# Altium PCB MiniSystem-Pcb-All.PcbDoc (part 3 of 8)
Units mil, origin at the board's own origin, x right, y up, seen from the top; angles counter-clockwise.
Board outline 1732.28 x 669.29 mil, 2 copper layers (Top Layer, Bottom Layer); 690 components, 49 nets, 1630 pads, 330 vias.
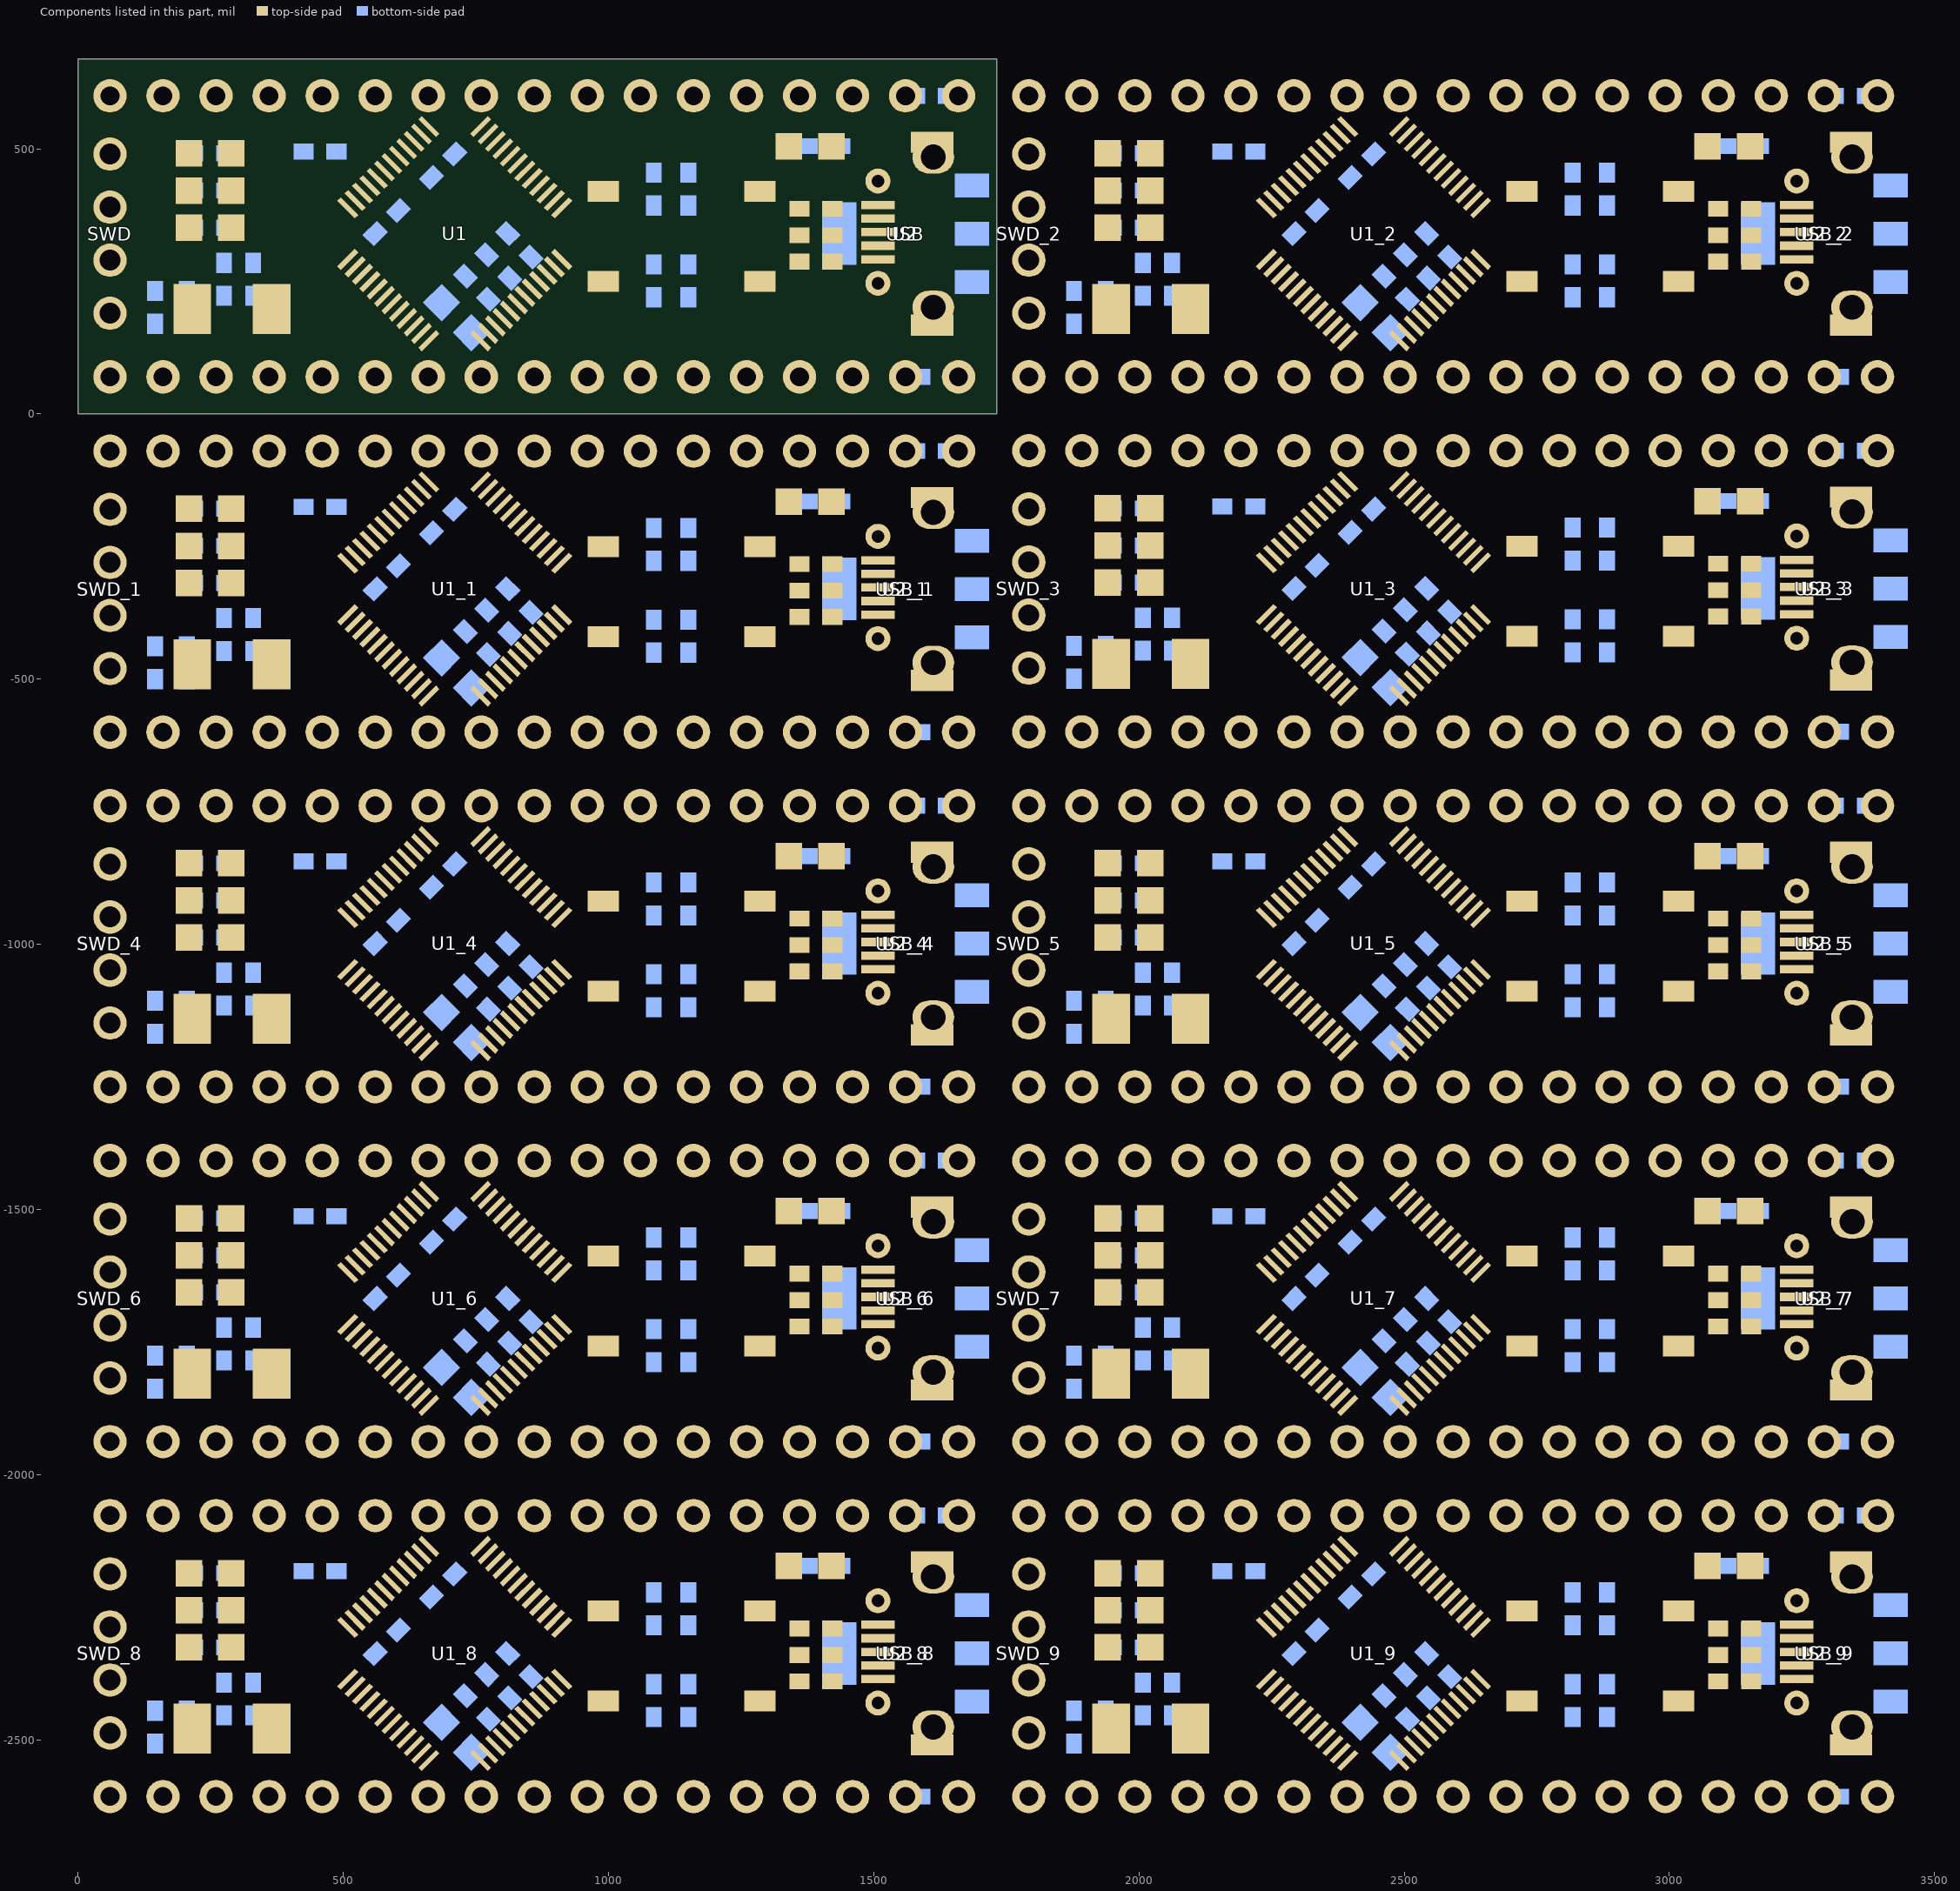
[diagram p3: the components of this part, seen from the top]

## Via types
v1: diameter 24, hole 12, Top Layer to Bottom Layer, 320 vias
v2: diameter 50, hole 30, Top Layer to Bottom Layer, 10 vias

## Nets (pads, with @x,y where several pads share a name; then routed paths per layer and width w, separated by ;. In a path a pad name is that pad's centre, name@x,y a point inside that pad or via, vN(x,y) a via of type N, cw(c..) or ccw(c..) an arc to the next point about the centre after c; other vN are vias at no path point) (continued)
copper on no net: | length 314330
  Top Layer w8: v1(360,-2477.17) 415.83,-2477.17 437.82,-2499.15 534.09,-2499.15 577.77,-2455.48 ; v1(360,-1807.87) 415.83,-1807.87 437.82,-1829.86 534.09,-1829.86 577.77,-1786.19 ; v1(360,-1138.58) 415.83,-1138.58 437.82,-1160.57 534.09,-1160.57 577.77,-1116.9 ; v1(360,-470) 415.83,-470 437.82,-491.99 534.09,-491.99 577.77,-448.31 ; v1@365.66,-2482.82 cw(c379.31,-2496.48) 379.31,-2477.17 cw(c379.31,-2457.85) v1@365.66,-2471.51 ; v1@365.66,-1813.53 cw(c379.31,-1827.19) 379.31,-1807.87 cw(c379.31,-1788.56) v1@365.66,-1802.22 ; v1@365.66,-1144.24 cw(c379.31,-1157.9) 379.31,-1138.58 cw(c379.31,-1119.27) v1@365.66,-1132.93 ; v1@365.66,-475.66 cw(c379.31,-489.31) 379.31,-470 cw(c379.31,-450.69) v1@365.66,-464.34 ; 385.09,-2467.43 ccw(c401.96,-2457.68) 401.96,-2477.17 ; 385.09,-1798.14 ccw(c401.96,-1788.39) 401.96,-1807.87 ; 385.09,-1128.85 ccw(c401.96,-1119.1) 401.96,-1138.58 ; 385.09,-460.27 ccw(c401.96,-450.51) 401.96,-470 ; 386.29,-2488.52 cw(c403.62,-2496.07) 403.62,-2477.17 ; 386.29,-1819.23 cw(c403.62,-1826.77) 403.62,-1807.87 ; 386.29,-1149.94 cw(c403.62,-1157.48) 403.62,-1138.58 ; 386.29,-481.35 cw(c403.62,-488.9) 403.62,-470 ; 392.01,-2463.43 ccw(c415.82,-2449.66) 415.82,-2477.17 ccw(c415.82,-2501.38) 393.62,-2491.71 ; 392.01,-1794.14 ccw(c415.82,-1780.37) 415.82,-1807.87 ccw(c415.82,-1832.09) 393.62,-1822.42 ; 392.01,-1124.85 ccw(c415.82,-1111.08) 415.82,-1138.58 ccw(c415.82,-1162.8) 393.62,-1153.13 ; 392.01,-456.26 ccw(c415.82,-442.49) 415.82,-470 ccw(c415.82,-494.22) 393.62,-484.55 ; v1(778.24,-2227.17) 814.4,-2191.01 ; v1@778.24,-2219.17 ccw(c778.24,-2199.85) 791.9,-2213.51 ccw(c805.56,-2227.17) v1@786.24,-2227.17 ; v1(778.24,-1557.87) 814.4,-1521.72 ; v1@778.24,-1549.87 ccw(c778.24,-1530.56) 791.9,-1544.22 ccw(c805.56,-1557.87) v1@786.24,-1557.87 ; v1(778.24,-888.58) 814.4,-852.43 ; v1@778.24,-880.58 ccw(c778.24,-861.27) 791.9,-874.93 ccw(c805.56,-888.58) v1@786.24,-888.58 ; v1(778.24,-220) 814.4,-183.85 ; v1@778.24,-212 ccw(c778.24,-192.69) 791.9,-206.34 ccw(c805.56,-220) v1@786.24,-220 ; 800.48,-2177.09 v1(835.4,-2142.17) ; 800.48,-1507.8 v1(835.4,-1472.87) ; 800.48,-838.51 v1(835.4,-803.58) ; 800.48,-169.93 v1(835.4,-135) ; v1@827.4,-2142.17 cw(c808.09,-2142.17) 821.75,-2155.82 cw(c835.4,-2169.48) v1@835.4,-2150.17 ; v1@827.4,-1472.87 cw(c808.09,-1472.87) 821.75,-1486.53 cw(c835.4,-1500.19) v1@835.4,-1480.87 ; v1@827.4,-803.58 cw(c808.09,-803.58) 821.75,-817.24 cw(c835.4,-830.9) v1@835.4,-811.58 ; v1@827.4,-135 cw(c808.09,-135) 821.75,-148.66 cw(c835.4,-162.31) v1@835.4,-143 ; 828.31,-2204.93 860,-2173.25 860,-2077.17 863.92,-2077.17 ; 828.31,-1535.64 860,-1503.95 860,-1407.87 863.92,-1407.87 ; 828.31,-866.35 860,-834.66 860,-738.58 863.92,-738.58 ; 828.31,-197.77 860,-166.08 860,-70 863.92,-70 ; 856.15,-2232.77 856.15,-2231.29 939.28,-2148.17 1044,-2148.17 1060,-2132.17 1060,-2077.17 ; 856.15,-1563.48 856.15,-1562 939.28,-1478.87 1044,-1478.87 1060,-1462.87 1060,-1407.87 ; 856.15,-894.19 856.15,-892.7 939.28,-809.58 1044,-809.58 1060,-793.58 1060,-738.58 ; 856.15,-225.6 856.15,-224.12 939.28,-141 1044,-141 1060,-125 1060,-70 ; 859.2,-2201.89 842.23,-2218.85 960,-2101.08 960,-2077.17 ; 859.2,-1532.6 842.23,-1549.56 960,-1431.79 960,-1407.87 ; 859.2,-863.31 842.23,-880.27 960,-762.5 960,-738.58 ; 859.2,-194.72 842.23,-211.69 960,-93.92 960,-70 ; 870.07,-2246.69 901.47,-2215.29 901.47,-2208.6 945.9,-2164.17 1150,-2164.17 1160,-2154.17 1160,-2077.17 ; 870.07,-1577.4 901.47,-1546 901.47,-1539.3 945.9,-1494.87 1150,-1494.87 1160,-1484.87 1160,-1407.87 ; 870.07,-908.11 901.47,-876.71 901.47,-870.01 945.9,-825.58 1150,-825.58 1160,-815.58 1160,-738.58 ; 870.07,-239.52 901.47,-208.12 901.47,-201.43 945.9,-157 1150,-157 1160,-147 1160,-70 ; 883.99,-2260.61 917.47,-2227.13 917.47,-2215.22 952.53,-2180.17 1247,-2180.17 1260,-2167.17 1260,-2077.17 ; 883.99,-1591.32 917.47,-1557.84 917.47,-1545.93 952.53,-1510.87 1247,-1510.87 1260,-1497.87 1260,-1407.87 ; 883.99,-922.03 917.47,-888.55 917.47,-876.64 952.53,-841.58 1247,-841.58 1260,-828.58 1260,-738.58 ; 883.99,-253.44 917.47,-219.96 917.47,-208.06 952.53,-173 1247,-173 1260,-160 1260,-70 ; 897.91,-2274.53 933.47,-2238.97 933.47,-2221.85 959.16,-2196.17 1271.9,-2196.17 1284,-2184.07 1284,-2135.54 1308.37,-2111.17 1330,-2111.17 1355,-2111.17 1360,-2106.17 1360,-2077.17 ; 897.91,-1605.24 933.47,-1569.68 933.47,-1552.56 959.16,-1526.87 1271.9,-1526.87 1284,-1514.78 1284,-1466.25 1308.37,-1441.87 1330,-1441.87 1355,-1441.87 1360,-1436.87 1360,-1407.87 ; 897.91,-935.95 933.47,-900.38 933.47,-883.27 959.16,-857.58 1271.9,-857.58 1284,-845.49 1284,-796.96 1308.37,-772.58 1330,-772.58 1355,-772.58 1360,-767.58 1360,-738.58 ; 897.91,-267.36 933.47,-231.8 933.47,-214.69 959.16,-189 1271.9,-189 1284,-176.9 1284,-128.37 1308.37,-104 1330,-104 1355,-104 1360,-99 1360,-70 ; 939.2,-2261.08 911.83,-2288.45 949.47,-2250.81 949.47,-2228.48 965.79,-2212.17 1290,-2212.17 1300,-2202.17 1300,-2142.17 1315,-2127.17 1450,-2127.17 1460,-2117.17 ; 939.2,-1591.79 911.83,-1619.16 949.47,-1581.51 949.47,-1559.19 965.79,-1542.87 1290,-1542.87 1300,-1532.87 1300,-1472.87 1315,-1457.87 1450,-1457.87 1460,-1447.87 ; 939.2,-922.5 911.83,-949.86 949.47,-912.22 949.47,-889.9 965.79,-873.58 1290,-873.58 1300,-863.58 1300,-803.58 1315,-788.58 1450,-788.58 1460,-778.58 ; 939.2,-253.92 911.83,-281.28 949.47,-243.64 949.47,-221.31 965.79,-205 1290,-205 1300,-195 1300,-135 1315,-120 1450,-120 1460,-110 ; v1@970,-2357.17 v1(971,-2356.17) 1319,-2356.17 1322.5,-2359.67 1322.5,-2384.67 1327.73,-2389.89 1360,-2389.89 ; v1@970,-1687.87 v1(971,-1686.87) 1319,-1686.87 1322.5,-1690.37 1322.5,-1715.37 1327.73,-1720.6 1360,-1720.6 ; v1@970,-1018.58 v1(971,-1017.58) 1319,-1017.58 1322.5,-1021.08 1322.5,-1046.08 1327.73,-1051.31 1360,-1051.31 ; v1@970,-350 v1(971,-349) 1319,-349 1322.5,-352.5 1322.5,-377.5 1327.73,-382.73 1360,-382.73 ; v1@971.11,-2326.28 cw(c971.11,-2345.59) 984.77,-2331.94 cw(c998.43,-2318.28) v1@979.11,-2318.28 ; v1(971.11,-2318.28) 993,-2340.17 1020,-2340.17 ; v1@971.11,-1656.99 cw(c971.11,-1676.3) 984.77,-1662.64 cw(c998.43,-1648.99) v1@979.11,-1648.99 ; v1(971.11,-1648.99) 993,-1670.87 1020,-1670.87 ; v1@971.11,-987.7 cw(c971.11,-1007.01) 984.77,-993.35 cw(c998.43,-979.7) v1@979.11,-979.7 ; v1(971.11,-979.7) 993,-1001.58 1020,-1001.58 ; v1@971.11,-319.11 cw(c971.11,-338.43) 984.77,-324.77 cw(c998.43,-311.11) v1@979.11,-311.11 ; v1(971.11,-311.11) 993,-333 1020,-333 ; v1@976.66,-2361.82 cw(c990.31,-2375.48) 990.31,-2356.17 cw(c990.31,-2336.85) v1@976.66,-2350.51 ; v1@976.66,-1692.53 cw(c990.31,-1706.19) 990.31,-1686.87 cw(c990.31,-1667.56) v1@976.66,-1681.22 ; v1@976.66,-1023.24 cw(c990.31,-1036.9) 990.31,-1017.58 cw(c990.31,-998.27) v1@976.66,-1011.93 ; v1@976.66,-354.66 cw(c990.31,-368.31) 990.31,-349 cw(c990.31,-329.69) v1@976.66,-343.34 ; 1003,-2340.17 1020,-2340.17 ; 1003,-1670.87 1020,-1670.87 ; 1003,-1001.58 1020,-1001.58 ; 1003,-333 1020,-333 ; 1348.22,-2397.67 ccw(c1329.44,-2416.45) 1329.44,-2389.89 ccw(c1329.44,-2363.34) 1348.22,-2382.12 ; 1348.22,-2347.94 ccw(c1329.44,-2366.72) 1329.44,-2340.17 ccw(c1329.44,-2313.61) 1348.22,-2332.39 ; 1348.22,-1728.38 ccw(c1329.44,-1747.16) 1329.44,-1720.6 ccw(c1329.44,-1694.05) 1348.22,-1712.82 ; 1348.22,-1678.65 ccw(c1329.44,-1697.43) 1329.44,-1670.87 ccw(c1329.44,-1644.32) 1348.22,-1663.1 ; 1348.22,-1059.09 ccw(c1329.44,-1077.87) 1329.44,-1051.31 ccw(c1329.44,-1024.76) 1348.22,-1043.53 ; 1348.22,-1009.36 ccw(c1329.44,-1028.14) 1329.44,-1001.58 ccw(c1329.44,-975.03) 1348.22,-993.8 ; 1348.22,-390.51 ccw(c1329.44,-409.29) 1329.44,-382.73 ccw(c1329.44,-356.17) 1348.22,-374.95 ; 1348.22,-340.78 ccw(c1329.44,-359.56) 1329.44,-333 ccw(c1329.44,-306.44) 1348.22,-325.22 ; 1360,-2340.17 1100,-2340.17 1020,-2340.17 ; 1360,-1670.87 1100,-1670.87 1020,-1670.87 ; 1360,-1001.58 1100,-1001.58 1020,-1001.58 ; 1360,-333 1100,-333 1020,-333 ; 1422,-2389.89 1442.27,-2389.89 ; 1422,-1720.6 1442.27,-1720.6 ; 1422,-1051.31 1442.27,-1051.31 ; 1422,-382.73 1442.27,-382.73 ; 1425.97,-2394.89 ccw(c1426.12,-2367.96) 1445.16,-2387.01 ; 1425.97,-1725.6 ccw(c1426.12,-1698.67) 1445.16,-1717.72 ; 1425.97,-1056.31 ccw(c1426.12,-1029.38) 1445.16,-1048.42 ; 1425.97,-387.73 ccw(c1426.12,-360.8) 1445.16,-379.84 ; 1426.02,-2386.89 ccw(c1426.26,-2341) 1458.71,-2373.45 ; 1426.02,-1717.6 ccw(c1426.26,-1671.71) 1458.71,-1704.16 ; 1426.02,-1048.31 ccw(c1426.26,-1002.41) 1458.71,-1034.87 ; 1426.02,-379.73 ccw(c1426.26,-333.83) 1458.71,-366.29 ; 1426.06,-2378.89 ccw(c1426.4,-2314.03) 1472.27,-2359.9 ; 1426.06,-1709.6 ccw(c1426.4,-1644.74) 1472.27,-1690.61 ; 1426.06,-1040.31 ccw(c1426.4,-975.45) 1472.27,-1021.31 ; 1426.06,-371.73 ccw(c1426.4,-306.86) 1472.27,-352.73 ; 1436.21,-2393.99 cw(c1442.27,-2396.43) 1442.27,-2389.89 ; 1436.21,-2385.8 ccw(c1442.27,-2383.36) 1442.27,-2389.89 ; 1436.21,-1724.7 cw(c1442.27,-1727.14) 1442.27,-1720.6 ; 1436.21,-1716.5 ccw(c1442.27,-1714.07) 1442.27,-1720.6 ; 1436.21,-1055.41 cw(c1442.27,-1057.84) 1442.27,-1051.31 ; 1436.21,-1047.21 ccw(c1442.27,-1044.78) 1442.27,-1051.31 ; 1436.21,-386.83 cw(c1442.27,-389.26) 1442.27,-382.73 ; 1436.21,-378.63 ccw(c1442.27,-376.2) 1442.27,-382.73 ; 1450.15,-2102.84 cw(c1444.65,-2117.16) 1460,-2117.16 ; 1450.15,-1433.55 cw(c1444.65,-1447.87) 1460,-1447.87 ; 1450.15,-764.25 cw(c1444.65,-778.58) 1460,-778.58 ; 1450.15,-95.67 cw(c1444.65,-110) 1460,-110 ; 1460,-2077.17 1460,-2117.17 ; 1460,-1407.87 1460,-1447.87 ; 1460,-738.58 1460,-778.58 ; 1460,-70 1460,-110 ; 1469.85,-2102.84 ccw(c1475.35,-2117.16) 1460,-2117.16 ; 1469.85,-1433.55 ccw(c1475.35,-1447.87) 1460,-1447.87 ; 1469.85,-764.25 ccw(c1475.35,-778.58) 1460,-778.58 ; 1469.85,-95.67 ccw(c1475.35,-110) 1460,-110 ; 1481.47,-2362.63 ccw(c1474.86,-2369.25) 1474.86,-2359.89 ccw(c1474.86,-2350.54) 1481.47,-2357.16 ; 1481.47,-1693.34 ccw(c1474.86,-1699.96) 1474.86,-1690.6 ccw(c1474.86,-1681.25) 1481.47,-1687.86 ; 1481.47,-1024.05 ccw(c1474.86,-1030.66) 1474.86,-1021.31 ccw(c1474.86,-1011.96) 1481.47,-1018.57 ; 1481.47,-355.47 ccw(c1474.86,-362.08) 1474.86,-352.73 ccw(c1474.86,-343.38) 1481.47,-349.99 ; 1507.84,-2359.89 1472.27,-2359.89 ; 1507.84,-1690.6 1472.27,-1690.6 ; 1507.84,-1021.31 1472.27,-1021.31 ; 1507.84,-352.73 1472.27,-352.73 ; v1(2092.28,-2477.17) 2148.11,-2477.17 ; v1(2092.28,-1807.87) 2148.11,-1807.87 ; v1(2092.28,-1138.58) 2148.11,-1138.58 ; v1(2092.28,-469.29) 2148.11,-469.29 ; v1(2092.28,200) 2148.11,200 ; v1@2097.94,-2482.82 cw(c2111.6,-2496.48) 2111.6,-2477.17 cw(c2111.6,-2457.85) v1@2097.94,-2471.51 ; v1@2097.94,-1813.53 cw(c2111.6,-1827.19) 2111.6,-1807.87 cw(c2111.6,-1788.56) v1@2097.94,-1802.22 ; v1@2097.94,-1144.24 cw(c2111.6,-1157.9) 2111.6,-1138.58 cw(c2111.6,-1119.27) v1@2097.94,-1132.93 ; v1@2097.94,-474.95 cw(c2111.6,-488.61) 2111.6,-469.29 cw(c2111.6,-449.98) v1@2097.94,-463.63 ; v1@2097.94,194.34 cw(c2111.6,180.69) 2111.6,200 cw(c2111.6,219.31) v1@2097.94,205.66 ; 2117.37,-2467.43 ccw(c2134.24,-2457.68) 2134.24,-2477.17 ; 2117.37,-1798.14 ccw(c2134.24,-1788.39) 2134.24,-1807.87 ; 2117.37,-1128.85 ccw(c2134.24,-1119.1) 2134.24,-1138.58 ; 2117.37,-459.56 ccw(c2134.24,-449.81) 2134.24,-469.29 ; 2117.37,209.73 ccw(c2134.24,219.49) 2134.24,200 ; 2118.57,-2488.52 cw(c2135.9,-2496.07) 2135.9,-2477.17 ; 2118.57,-1819.23 cw(c2135.9,-1826.77) 2135.9,-1807.87 ; 2118.57,-1149.94 cw(c2135.9,-1157.48) 2135.9,-1138.58 ; 2118.57,-480.65 cw(c2135.9,-488.19) 2135.9,-469.29 ; 2118.57,188.65 cw(c2135.9,181.1) 2135.9,200 ; 2124.3,-2463.43 ccw(c2148.11,-2449.66) 2148.11,-2477.17 ; 2124.3,-1794.14 ccw(c2148.11,-1780.37) 2148.11,-1807.87 ; 2124.3,-1124.85 ccw(c2148.11,-1111.08) 2148.11,-1138.58 ; 2124.3,-455.56 ccw(c2148.11,-441.79) 2148.11,-469.29 ; 2124.3,213.74 ccw(c2148.11,227.51) 2148.11,200 ; 2125.91,-2491.71 cw(c2148.11,-2501.38) 2148.11,-2477.17 ; 2125.91,-1822.42 cw(c2148.11,-1832.09) 2148.11,-1807.87 ; 2125.91,-1153.13 cw(c2148.11,-1162.8) 2148.11,-1138.58 ; 2125.91,-483.84 cw(c2148.11,-493.51) 2148.11,-469.29 ; 2125.91,185.45 cw(c2148.11,175.78) 2148.11,200 ; 2310.05,-2455.48 2266.38,-2499.15 2170.1,-2499.15 2148.11,-2477.17 ; 2310.05,-1786.19 2266.38,-1829.86 2170.1,-1829.86 2148.11,-1807.87 ; 2310.05,-1116.9 2266.38,-1160.57 2170.1,-1160.57 2148.11,-1138.58 ; 2310.05,-447.61 2266.38,-491.28 2170.1,-491.28 2148.11,-469.29 ; 2310.05,221.69 2266.38,178.01 2170.1,178.01 2148.11,200 ; v1(2510.53,-2227.17) 2546.68,-2191.01 ; v1@2510.53,-2219.17 ccw(c2510.53,-2199.85) 2524.18,-2213.51 ccw(c2537.84,-2227.17) v1@2518.53,-2227.17 ; v1(2510.53,-1557.87) 2546.68,-1521.72 ; v1@2510.53,-1549.87 ccw(c2510.53,-1530.56) 2524.18,-1544.22 ccw(c2537.84,-1557.87) v1@2518.53,-1557.87 ; v1(2510.53,-888.58) 2546.68,-852.43 ; v1@2510.53,-880.58 ccw(c2510.53,-861.27) 2524.18,-874.93 ccw(c2537.84,-888.58) v1@2518.53,-888.58 ; v1(2510.53,-219.29) 2546.68,-183.14 ; v1@2510.53,-211.29 ccw(c2510.53,-191.98) 2524.18,-205.63 ccw(c2537.84,-219.29) v1@2518.53,-219.29 ; v1(2510.53,450) 2546.68,486.15 ; v1@2510.53,458 ccw(c2510.53,477.31) 2524.18,463.66 ccw(c2537.84,450) v1@2518.53,450 ; 2532.76,-2177.09 v1(2567.69,-2142.17) ; 2532.76,-1507.8 v1(2567.69,-1472.87) ; 2532.76,-838.51 v1(2567.69,-803.58) ; 2532.76,-169.22 v1(2567.69,-134.29) ; 2532.76,500.07 v1(2567.69,535) ; v1@2559.69,-2142.17 cw(c2540.37,-2142.17) 2554.03,-2155.82 cw(c2567.69,-2169.48) v1@2567.69,-2150.17 ; v1@2559.69,-1472.87 cw(c2540.37,-1472.87) 2554.03,-1486.53 cw(c2567.69,-1500.19) v1@2567.69,-1480.87 ; v1@2559.69,-803.58 cw(c2540.37,-803.58) 2554.03,-817.24 cw(c2567.69,-830.9) v1@2567.69,-811.58 ; v1@2559.69,-134.29 cw(c2540.37,-134.29) 2554.03,-147.95 cw(c2567.69,-161.61) v1@2567.69,-142.29 ; v1@2559.69,535 cw(c2540.37,535) 2554.03,521.34 cw(c2567.69,507.69) v1@2567.69,527 ; 2560.6,-2204.93 2592.28,-2173.25 2592.28,-2077.17 2596.2,-2077.17 ; 2560.6,-1535.64 2592.28,-1503.95 2592.28,-1407.87 2596.2,-1407.87 ; 2560.6,-866.35 2592.28,-834.66 2592.28,-738.58 2596.2,-738.58 ; 2560.6,-197.06 2592.28,-165.37 2592.28,-69.29 2596.2,-69.29 ; 2560.6,472.23 2592.28,503.92 2592.28,600 2596.2,600 ; 2588.44,-2232.77 2588.44,-2231.29 2671.56,-2148.17 2776.28,-2148.17 2792.28,-2132.17 2792.28,-2077.17 ; 2588.44,-1563.48 2588.44,-1562 2671.56,-1478.87 2776.28,-1478.87 2792.28,-1462.87 2792.28,-1407.87 ; 2588.44,-894.19 2588.44,-892.7 2671.56,-809.58 2776.28,-809.58 2792.28,-793.58 2792.28,-738.58 ; 2588.44,-224.9 2588.44,-223.41 2671.56,-140.29 2776.28,-140.29 2792.28,-124.29 2792.28,-69.29 ; 2588.44,444.4 2588.44,445.88 2671.56,529 2776.28,529 2792.28,545 2792.28,600 ; 2591.48,-2201.89 2574.52,-2218.85 2692.28,-2101.08 2692.28,-2077.17 ; 2591.48,-1532.6 2574.52,-1549.56 2692.28,-1431.79 2692.28,-1407.87 ; 2591.48,-863.31 2574.52,-880.27 2692.28,-762.5 2692.28,-738.58 ; 2591.48,-194.01 2574.52,-210.98 2692.28,-93.21 2692.28,-69.29 ; 2591.48,475.28 2574.52,458.31 2692.28,576.08 2692.28,600 ; 2602.36,-2246.69 2633.76,-2215.29 2633.76,-2208.6 2678.19,-2164.17 2882.28,-2164.17 2892.28,-2154.17 2892.28,-2077.17 ; 2602.36,-1577.4 2633.76,-1546 2633.76,-1539.3 2678.19,-1494.87 2882.28,-1494.87 2892.28,-1484.87 2892.28,-1407.87 ; 2602.36,-908.11 2633.76,-876.71 2633.76,-870.01 2678.19,-825.58 2882.28,-825.58 2892.28,-815.58 2892.28,-738.58 ; 2602.36,-238.82 2633.76,-207.42 2633.76,-200.72 2678.19,-156.29 2882.28,-156.29 2892.28,-146.29 2892.28,-69.29 ; 2602.36,430.48 2633.76,461.88 2633.76,468.57 2678.19,513 2882.28,513 2892.28,523 2892.28,600 ; 2616.28,-2260.61 2649.76,-2227.13 2649.76,-2215.22 2684.81,-2180.17 2979.28,-2180.17 2992.28,-2167.17 2992.28,-2077.17 ; 2616.28,-1591.32 2649.76,-1557.84 2649.76,-1545.93 2684.81,-1510.87 2979.28,-1510.87 2992.28,-1497.87 2992.28,-1407.87 ; 2616.28,-922.03 2649.76,-888.55 2649.76,-876.64 2684.81,-841.58 2979.28,-841.58 2992.28,-828.58 2992.28,-738.58 ; 2616.28,-252.73 2649.76,-219.25 2649.76,-207.35 2684.81,-172.29 2979.28,-172.29 2992.28,-159.29 2992.28,-69.29 ; 2616.28,416.56 2649.76,450.04 2649.76,461.94 2684.81,497 2979.28,497 2992.28,510 2992.28,600 ; 2630.2,-2274.53 2665.76,-2238.97 2665.76,-2221.85 2691.44,-2196.17 3004.19,-2196.17 3016.28,-2184.07 3016.28,-2135.54 3040.66,-2111.17 3062.28,-2111.17 3087.28,-2111.17 3092.28,-2106.17 3092.28,-2077.17 ; 2630.2,-1605.24 2665.76,-1569.68 2665.76,-1552.56 2691.44,-1526.87 3004.19,-1526.87 3016.28,-1514.78 3016.28,-1466.25 3040.66,-1441.87 3062.28,-1441.87 3087.28,-1441.87 3092.28,-1436.87 3092.28,-1407.87 ; 2630.2,-935.95 2665.76,-900.38 2665.76,-883.27 2691.44,-857.58 3004.19,-857.58 3016.28,-845.49 3016.28,-796.96 3040.66,-772.58 3062.28,-772.58 3087.28,-772.58 3092.28,-767.58 3092.28,-738.58 ; 2630.2,-266.65 2665.76,-231.09 2665.76,-213.98 2691.44,-188.29 3004.19,-188.29 3016.28,-176.19 3016.28,-127.66 3040.66,-103.29 3062.28,-103.29 3087.28,-103.29 3092.28,-98.29 3092.28,-69.29 ; 2630.2,402.64 2665.76,438.2 2665.76,455.31 2691.44,481 3004.19,481 3016.28,493.1 3016.28,541.63 3040.66,566 3062.28,566 3087.28,566 3092.28,571 3092.28,600 ; 2671.48,-2261.08 2644.11,-2288.45 2681.76,-2250.81 2681.76,-2228.48 2698.07,-2212.17 3022.28,-2212.17 3032.28,-2202.17 3032.28,-2142.17 3047.28,-2127.17 3182.28,-2127.17 3192.28,-2117.17 ; 2671.48,-1591.79 2644.11,-1619.16 2681.76,-1581.51 2681.76,-1559.19 2698.07,-1542.87 3022.28,-1542.87 3032.28,-1532.87 3032.28,-1472.87 3047.28,-1457.87 3182.28,-1457.87 3192.28,-1447.87 ; 2671.48,-922.5 2644.11,-949.86 2681.76,-912.22 2681.76,-889.9 2698.07,-873.58 3022.28,-873.58 3032.28,-863.58 3032.28,-803.58 3047.28,-788.58 3182.28,-788.58 3192.28,-778.58 ; 2671.48,-253.21 2644.11,-280.57 2681.76,-242.93 2681.76,-220.6 2698.07,-204.29 3022.28,-204.29 3032.28,-194.29 3032.28,-134.29 3047.28,-119.29 3182.28,-119.29 3192.28,-109.29 ; 2671.48,416.08 2644.11,388.72 2681.76,426.36 2681.76,448.69 2698.07,465 3022.28,465 3032.28,475 3032.28,535 3047.28,550 3182.28,550 3192.28,560 ; v1@2702.28,-2357.17 v1(2703.28,-2356.17) 3051.28,-2356.17 3054.78,-2359.67 3054.78,-2384.67 3060.01,-2389.89 3092.28,-2389.89 ; v1@2702.28,-1687.87 v1(2703.28,-1686.87) 3051.28,-1686.87 3054.78,-1690.37 3054.78,-1715.37 3060.01,-1720.6 3092.28,-1720.6 ; v1@2702.28,-1018.58 v1(2703.28,-1017.58) 3051.28,-1017.58 3054.78,-1021.08 3054.78,-1046.08 3060.01,-1051.31 3092.28,-1051.31 ; v1@2702.28,-349.29 v1(2703.28,-348.29) 3051.28,-348.29 3054.78,-351.79 3054.78,-376.79 3060.01,-382.02 3092.28,-382.02 ; v1@2702.28,320 v1(2703.28,321) 3051.28,321 3054.78,317.5 3054.78,292.5 3060.01,287.27 3092.28,287.27 ; v1@2703.4,-2326.28 cw(c2703.4,-2345.59) 2717.05,-2331.94 cw(c2730.71,-2318.28) v1@2711.4,-2318.28 ; v1(2703.4,-2318.28) 2725.28,-2340.17 2752.28,-2340.17 ; v1@2703.4,-1656.99 cw(c2703.4,-1676.3) 2717.05,-1662.64 cw(c2730.71,-1648.99) v1@2711.4,-1648.99 ; v1(2703.4,-1648.99) 2725.28,-1670.87 2752.28,-1670.87 ; v1@2703.4,-987.7 cw(c2703.4,-1007.01) 2717.05,-993.35 cw(c2730.71,-979.7) v1@2711.4,-979.7 ; v1(2703.4,-979.7) 2725.28,-1001.58 2752.28,-1001.58 ; v1@2703.4,-318.41 cw(c2703.4,-337.72) 2717.05,-324.06 cw(c2730.71,-310.41) v1@2711.4,-310.41 ; v1(2703.4,-310.41) 2725.28,-332.29 2752.28,-332.29 ; v1@2703.4,350.89 cw(c2703.4,331.57) 2717.05,345.23 cw(c2730.71,358.89) v1@2711.4,358.89 ; v1(2703.4,358.89) 2725.28,337 2752.28,337 ; v1@2708.94,-2361.82 cw(c2722.6,-2375.48) 2722.6,-2356.17 cw(c2722.6,-2336.85) v1@2708.94,-2350.51 ; v1@2708.94,-1692.53 cw(c2722.6,-1706.19) 2722.6,-1686.87 cw(c2722.6,-1667.56) v1@2708.94,-1681.22 ; v1@2708.94,-1023.24 cw(c2722.6,-1036.9) 2722.6,-1017.58 cw(c2722.6,-998.27) v1@2708.94,-1011.93 ; v1@2708.94,-353.95 cw(c2722.6,-367.61) 2722.6,-348.29 cw(c2722.6,-328.98) v1@2708.94,-342.63 ; v1@2708.94,315.34 cw(c2722.6,301.69) 2722.6,321 cw(c2722.6,340.31) v1@2708.94,326.66 ; 2735.28,-2340.17 2752.28,-2340.17 ; 2735.28,-1670.87 2752.28,-1670.87 ; 2735.28,-1001.58 2752.28,-1001.58 ; 2735.28,-332.29 2752.28,-332.29 ; 2735.28,337 2752.28,337 ; 3080.51,-2397.67 ccw(c3061.73,-2416.45) 3061.73,-2389.89 ccw(c3061.73,-2363.34) 3080.51,-2382.12 ; 3080.51,-2347.94 ccw(c3061.73,-2366.72) 3061.73,-2340.17 ccw(c3061.73,-2313.61) 3080.51,-2332.39 ; 3080.51,-1728.38 ccw(c3061.73,-1747.16) 3061.73,-1720.6 ccw(c3061.73,-1694.05) 3080.51,-1712.82 ; 3080.51,-1678.65 ccw(c3061.73,-1697.43) 3061.73,-1670.87 ccw(c3061.73,-1644.32) 3080.51,-1663.1 ; 3080.51,-1059.09 ccw(c3061.73,-1077.87) 3061.73,-1051.31 ccw(c3061.73,-1024.76) 3080.51,-1043.53 ; 3080.51,-1009.36 ccw(c3061.73,-1028.14) 3061.73,-1001.58 ccw(c3061.73,-975.03) 3080.51,-993.8 ; 3080.51,-389.8 ccw(c3061.73,-408.58) 3061.73,-382.02 ccw(c3061.73,-355.46) 3080.51,-374.24 ; 3080.51,-340.07 ccw(c3061.73,-358.85) 3061.73,-332.29 ccw(c3061.73,-305.74) 3080.51,-324.51 ; 3080.51,279.49 ccw(c3061.73,260.71) 3061.73,287.27 ccw(c3061.73,313.83) 3080.51,295.05 ; 3080.51,329.22 ccw(c3061.73,310.44) 3061.73,337 ccw(c3061.73,363.56) 3080.51,344.78 ; 3092.28,-2340.17 2832.28,-2340.17 2752.28,-2340.17 ; 3092.28,-1670.87 2832.28,-1670.87 2752.28,-1670.87 ; 3092.28,-1001.58 2832.28,-1001.58 2752.28,-1001.58 ; 3092.28,-332.29 2832.28,-332.29 2752.28,-332.29 ; 3092.28,337 2832.28,337 2752.28,337 ; 3154.28,-2389.89 3174.55,-2389.89 ; 3154.28,-1720.6 3174.55,-1720.6 ; 3154.28,-1051.31 3174.55,-1051.31 ; 3154.28,-382.02 3174.55,-382.02 ; 3154.28,287.27 3174.55,287.27 ; 3158.26,-2394.89 ccw(c3158.4,-2367.96) 3177.44,-2387.01 ; 3158.26,-1725.6 ccw(c3158.4,-1698.67) 3177.44,-1717.72 ; 3158.26,-1056.31 ccw(c3158.4,-1029.38) 3177.44,-1048.42 ; 3158.26,-387.02 ccw(c3158.4,-360.09) 3177.44,-379.13 ; 3158.26,282.27 ccw(c3158.4,309.2) 3177.44,290.16 ; 3158.3,-2386.89 ccw(c3158.54,-2341) 3191,-2373.45 ; 3158.3,-1717.6 ccw(c3158.54,-1671.71) 3191,-1704.16 ; 3158.3,-1048.31 ccw(c3158.54,-1002.41) 3191,-1034.87 ; 3158.3,-379.02 ccw(c3158.54,-333.12) 3191,-365.58 ; 3158.3,290.27 ccw(c3158.54,336.17) 3191,303.71 ; 3158.34,-2378.89 ccw(c3158.68,-2314.03) 3204.55,-2359.9 ; 3158.34,-1709.6 ccw(c3158.68,-1644.74) 3204.55,-1690.61 ; 3158.34,-1040.31 ccw(c3158.68,-975.45) 3204.55,-1021.31 ; 3158.34,-371.02 ccw(c3158.68,-306.15) 3204.55,-352.02 ; 3158.34,298.27 ccw(c3158.68,363.14) 3204.55,317.27 ; 3168.49,-2393.99 cw(c3174.55,-2396.43) 3174.55,-2389.89 ; 3168.49,-2385.8 ccw(c3174.55,-2383.36) 3174.55,-2389.89 ; 3168.49,-1724.7 cw(c3174.55,-1727.14) 3174.55,-1720.6 ; 3168.49,-1716.5 ccw(c3174.55,-1714.07) 3174.55,-1720.6 ; 3168.49,-1055.41 cw(c3174.55,-1057.84) 3174.55,-1051.31 ; 3168.49,-1047.21 ccw(c3174.55,-1044.78) 3174.55,-1051.31 ; 3168.49,-386.12 cw(c3174.55,-388.55) 3174.55,-382.02 ; 3168.49,-377.92 ccw(c3174.55,-375.49) 3174.55,-382.02 ; 3168.49,283.17 cw(c3174.55,280.74) 3174.55,287.27 ; 3168.49,291.37 ccw(c3174.55,293.8) 3174.55,287.27 ; 3182.43,-2102.84 cw(c3176.94,-2117.16) 3192.28,-2117.16 ; 3182.43,-1433.55 cw(c3176.94,-1447.87) 3192.28,-1447.87 ; 3182.43,-764.25 cw(c3176.94,-778.58) 3192.28,-778.58 ; 3182.43,-94.96 cw(c3176.94,-109.29) 3192.28,-109.29 ; 3182.43,574.33 cw(c3176.94,560) 3192.28,560 ; 3192.28,-2077.17 3192.28,-2117.17 ; 3192.28,-1407.87 3192.28,-1447.87 ; 3192.28,-738.58 3192.28,-778.58 ; 3192.28,-69.29 3192.28,-109.29 ; 3192.28,600 3192.28,560 ; 3202.13,-2102.84 ccw(c3207.63,-2117.16) 3192.28,-2117.16 ; 3202.13,-1433.55 ccw(c3207.63,-1447.87) 3192.28,-1447.87 ; 3202.13,-764.25 ccw(c3207.63,-778.58) 3192.28,-778.58 ; 3202.13,-94.96 ccw(c3207.63,-109.29) 3192.28,-109.29 ; 3202.13,574.33 ccw(c3207.63,560) 3192.28,560 ; 3213.76,-2362.63 ccw(c3207.14,-2369.25) 3207.14,-2359.89 ccw(c3207.14,-2350.54) 3213.76,-2357.16 ; 3213.76,-1693.34 ccw(c3207.14,-1699.96) 3207.14,-1690.6 ccw(c3207.14,-1681.25) 3213.76,-1687.86 ; 3213.76,-1024.05 ccw(c3207.14,-1030.66) 3207.14,-1021.31 ccw(c3207.14,-1011.96) 3213.76,-1018.57 ; 3213.76,-354.76 ccw(c3207.14,-361.37) 3207.14,-352.02 ccw(c3207.14,-342.67) 3213.76,-349.28 ; 3213.76,314.53 ccw(c3207.14,307.92) 3207.14,317.27 ccw(c3207.14,326.62) 3213.76,320.01 ; 3240.12,-2359.89 3204.55,-2359.89 ; 3240.12,-1690.6 3204.55,-1690.6 ; 3240.12,-1021.31 3204.55,-1021.31 ; 3240.12,-352.02 3204.55,-352.02 ; 3240.12,317.27 3204.55,317.27 ; 1442.27,-2389.89 1472.27,-2359.89 ; 1442.27,-1720.6 1472.27,-1690.6 ; 1442.27,-1051.31 1472.27,-1021.31 ; 1442.27,-382.73 1472.27,-352.73 ; 3174.55,-2389.89 3204.55,-2359.89 ; 3174.55,-1720.6 3204.55,-1690.6 ; 3174.55,-1051.31 3204.55,-1021.31 ; 3174.55,-382.02 3204.55,-352.02 ; 3174.55,287.27 3204.55,317.27